# Altium PCB 测试样板PCB.PcbDoc (part 3 of 5) (continued)
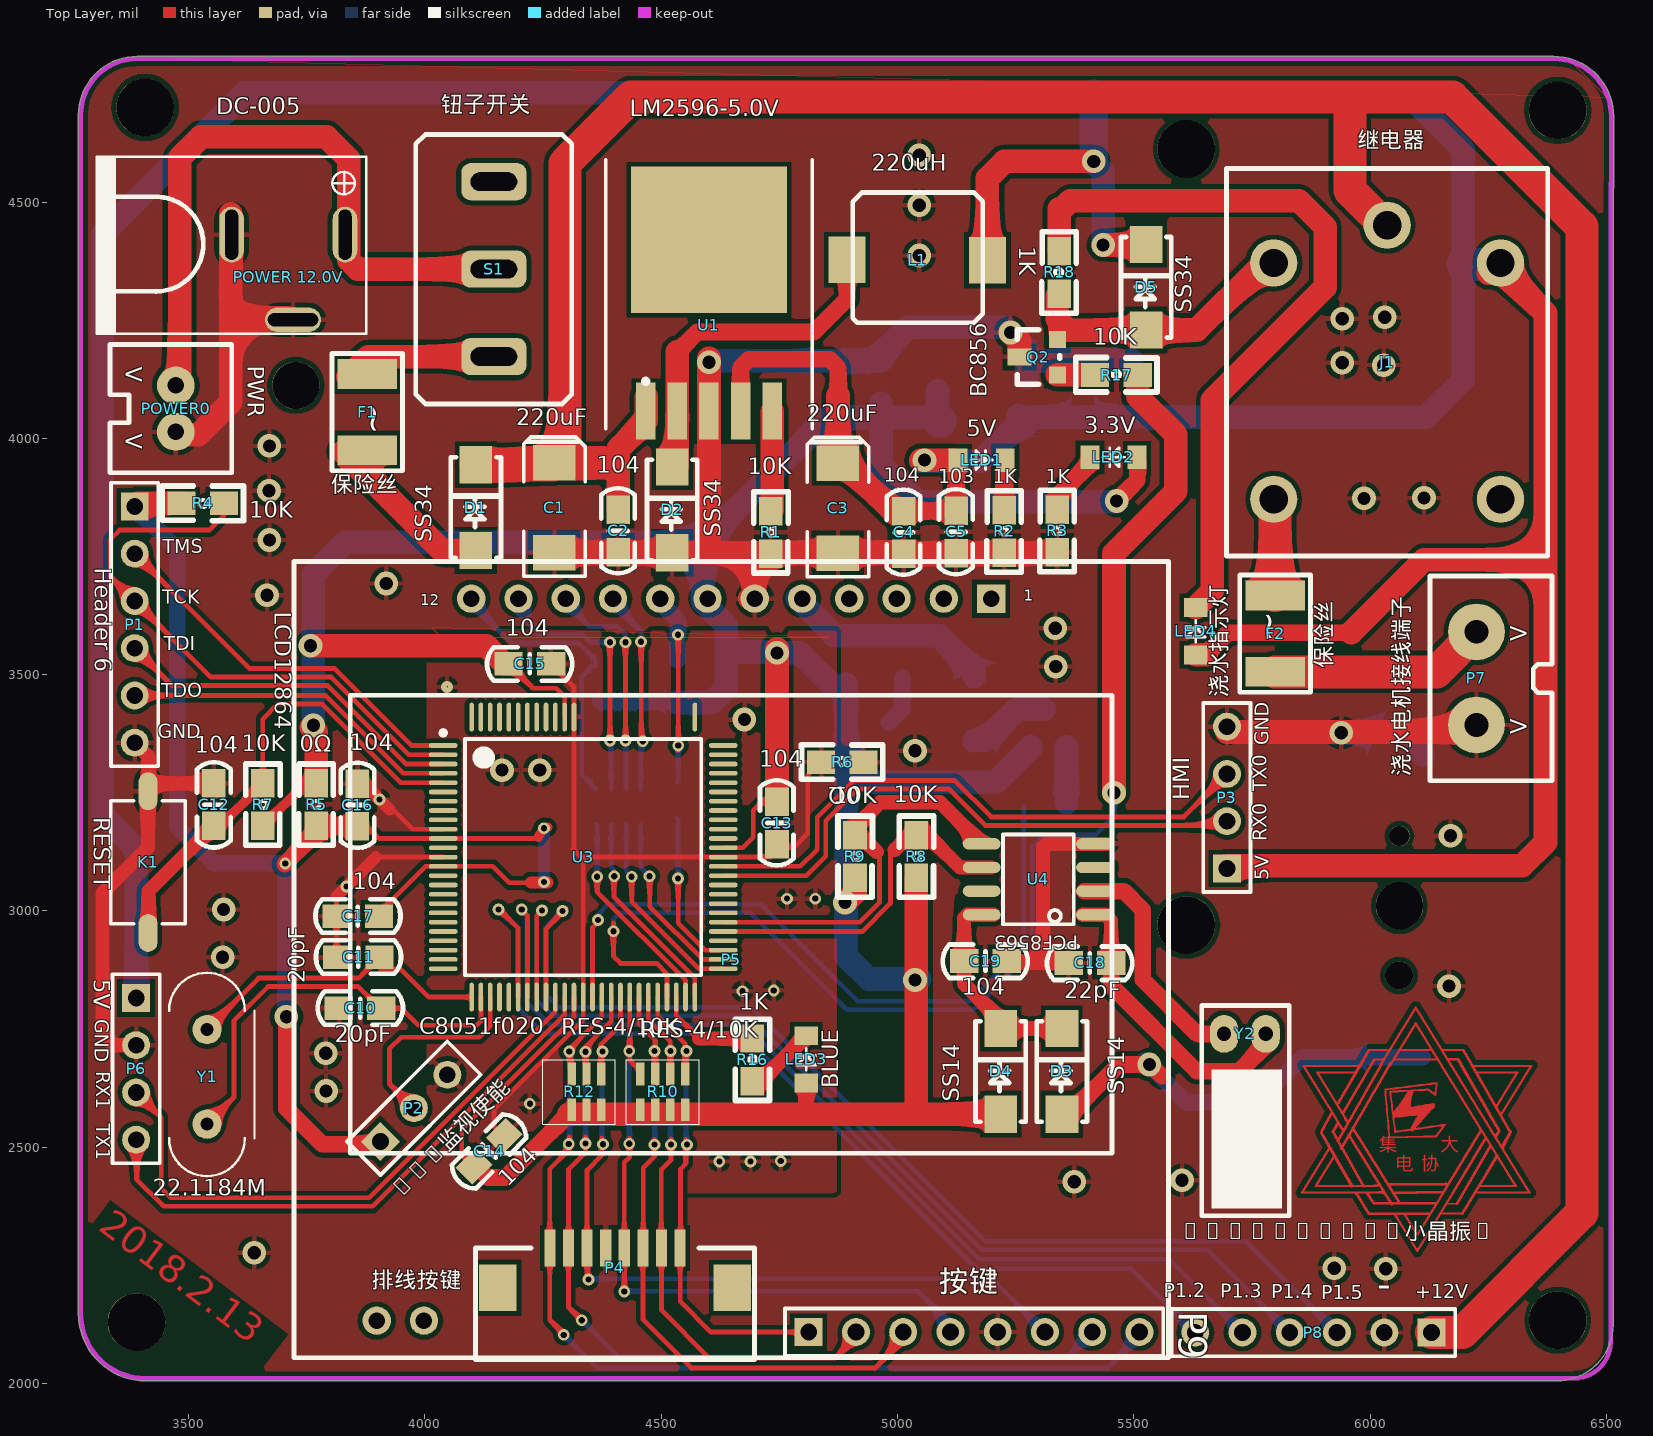
[diagram p0: Top Layer view]
## Nets (pads, with @x,y where several pads share a name; then routed paths per layer and width w, separated by ;. In a path a pad name is that pad's centre, name@x,y a point inside that pad or via, vN(x,y) a via of type N, cw(c..) or ccw(c..) an arc to the next point about the centre after c; other vN are vias at no path point) (continued)
6063.4,2738.6 ; 6060.2,2342.6 6064.2,2342.6 ; 6060.2,2343.4 6063.4,2343.4 ; 6060.2,2586.6 6085.8,2586.6 ; 6060.2,2587.4 6085.8,2587.4 ; 6060.2,2588.2 6085.8,2588.2 ; 6060.2,2620.2 6102.6,2620.2 ; 6060.2,2705.8 6065,2705.8 ; 6060.2,2706.6 6065,2706.6 ; 6060.2,2739.4 6063.4,2739.4 ; 6060.2,2740.2 6064.2,2740.2 ; 6061,2341 6065,2341 ; 6061,2341.8 6064.2,2341.8 ; 6061,2589 6085.8,2589 ; 6061,2627.4 6080.2,2627.4 ; 6061,2707.4 6065,2707.4 ; 6061,2708.2 6065.8,2708.2 ; 6061,2741 6065,2741 ; 6061,2741.8 6065,2741.8 ; 6061.8,2340.2 6065.8,2340.2 ; 6061.8,2589.8 6085.8,2589.8 ; 6061.8,2709 6065.8,2709 ; 6061.8,2742.6 6065.8,2742.6 ; 6062.6,2338.6 6066.6,2338.6 ; 6062.6,2339.4 6065.8,2339.4 ; 6062.6,2590.6 6085.8,2590.6 ; 6062.6,2591.4 6085.8,2591.4 ; 6062.6,2592.2 6085.8,2592.2 ; 6062.6,2709.8 6065.8,2709.8 ; 6062.6,2710.6 6066.6,2710.6 ; 6062.6,2743.4 6065.8,2743.4 ; 6062.6,2744.2 6066.6,2744.2 ; 6063.4,2337.8 6067.4,2337.8 ; 6063.4,2593 6085.8,2593 ; 6063.4,2711.4 6067.4,2711.4 ; 6063.4,2712.2 6067.4,2712.2 ; 6063.4,2745 6067.4,2745 ; 6064.2,2336.2 6068.2,2336.2 ; 6064.2,2337 6067.4,2337 ; 6064.2,2713 6068.2,2713 ; 6064.2,2745.8 6067.4,2745.8 ; 6064.2,2746.6 6068.2,2746.6 ; 6065,2334.6 6069,2334.6 ; 6065,2335.4 6068.2,2335.4 ; 6065,2536.2 6083.4,2536.2 ; 6065,2593.8 6085.8,2593.8 ; 6065,2594.6 6085.8,2594.6 ; 6065,2713.8 6068.2,2713.8 ; 6065,2714.6 6069,2714.6 ; 6065,2747.4 6069,2747.4 ; 6065,2748.2 6069,2748.2 ; 6065.8,2333 6069.8,2333 ; 6065.8,2333.8 6069.8,2333.8 ; 6065.8,2595.4 6085.8,2595.4 ; 6065.8,2596.2 6085.8,2596.2 ; 6065.8,2597 6085.8,2597 ; 6065.8,2705.8 6066.6,2705.8 ; 6065.8,2706.6 6125,2706.6 ; 6065.8,2707.4 6126.6,2707.4 ; 6065.8,2715.4 6069.8,2715.4 ; 6065.8,2716.2 6069.8,2716.2 ; 6065.8,2749 6069.8,2749 ; 6066.6,2332.2 6070.6,2332.2 ; 6066.6,2597.8 6085.8,2597.8 ; 6066.6,2628.2 6086.6,2628.2 ; 6066.6,2717 6070.6,2717 ; 6066.6,2749.8 6069.8,2749.8 ; 6066.6,2750.6 6070.6,2750.6 ; 6067.4,2330.6 6071.4,2330.6 ; 6067.4,2331.4 6070.6,2331.4 ; 6067.4,2598.6 6085.8,2598.6 ; 6067.4,2705.8 6121.8,2705.8 ; 6067.4,2717.8 6071.4,2717.8 ; 6067.4,2718.6 6071.4,2718.6 ; 6067.4,2751.4 6071.4,2751.4 ; 6068.2,2329.8 6072.2,2329.8 ; 6068.2,2599.4 6086.6,2599.4 ; 6068.2,2719.4 6072.2,2719.4 ; 6068.2,2752.2 6071.4,2752.2 ; 6068.2,2753 6072.2,2753 ; 6069,2328.2 6073,2328.2 ; 6069,2329 6072.2,2329 ; 6069,2600.2 6086.6,2600.2 ; 6069,2601 6086.6,2601 ; 6069,2720.2 6072.2,2720.2 ; 6069,2721 6073,2721 ; 6069,2753.8 6073,2753.8 ; 6069,2754.6 6073,2754.6 ; 6069.8,2326.6 6073.8,2326.6 ; 6069.8,2327.4 6073,2327.4 ; 6069.8,2601.8 6086.6,2601.8 ; 6069.8,2721.8 6073.8,2721.8 ; 6069.8,2755.4 6073.8,2755.4 ; 6070.6,2325.8 6074.6,2325.8 ; 6070.6,2537 6092.2,2537 ; 6070.6,2602.6 6086.6,2602.6 ; 6070.6,2603.4 6087.4,2603.4 ; 6070.6,2722.6 6073.8,2722.6 ; 6070.6,2723.4 6074.6,2723.4 ; 6070.6,2756.2 6073.8,2756.2 ; 6070.6,2757 6074.6,2757 ; 6071.4,2324.2 6075.4,2324.2 ; 6071.4,2325 6074.6,2325 ; 6071.4,2357.8 6075.4,2357.8 ; 6071.4,2604.2 6087.4,2604.2 ; 6071.4,2724.2 6075.4,2724.2 ; 6071.4,2725 6075.4,2725 ; 6071.4,2757.8 6075.4,2757.8 ; 6071.4,2758.6 6075.4,2758.6 ; 6072.2,2322.6 6076.2,2322.6 ; 6072.2,2323.4 6076.2,2323.4 ; 6072.2,2356.2 6076.2,2356.2 ; 6072.2,2357 6076.2,2357 ; 6072.2,2605 6087.4,2605 ; 6072.2,2605.8 6087.4,2605.8 ; 6072.2,2725.8 6076.2,2725.8 ; 6072.2,2759.4 6076.2,2759.4 ; 6073,2321.8 6077,2321.8 ; 6073,2355.4 6077,2355.4 ; 6073,2606.6 6088.2,2606.6 ; 6073,2621 6117,2621 ; 6073,2629 6093,2629 ; 6073,2726.6 6076.2,2726.6 ; 6073,2727.4 6077,2727.4 ; 6073,2760.2 6076.2,2760.2 ; 6073,2761 6077,2761 ; 6073.8,2320.2 6077.8,2320.2 ; 6073.8,2321 6077,2321 ; 6073.8,2353.8 6077.8,2353.8 ; 6073.8,2354.6 6077,2354.6 ; 6073.8,2607.4 6088.2,2607.4 ; 6073.8,2608.2 6088.2,2608.2 ; 6073.8,2728.2 6077.8,2728.2 ; 6073.8,2729 6077.8,2729 ; 6073.8,2761.8 6077.8,2761.8 ; 6073.8,2762.6 6077.8,2762.6 ; 6074.6,2319.4 6078.6,2319.4 ; 6074.6,2353 6077.8,2353 ; 6074.6,2609 6088.2,2609 ; 6074.6,2609.8 6089,2609.8 ; 6074.6,2729.8 6078.6,2729.8 ; 6074.6,2763.4 6078.6,2763.4 ; 6075.4,2317.8 6079.4,2317.8 ; 6075.4,2318.6 6078.6,2318.6 ; 6075.4,2351.4 6079.4,2351.4 ; 6075.4,2352.2 6078.6,2352.2 ; 6075.4,2610.6 6089,2610.6 ; 6075.4,2730.6 6078.6,2730.6 ; 6075.4,2731.4 6079.4,2731.4 ; 6075.4,2764.2 6079.4,2764.2 ; 6075.4,2765 6079.4,2765 ; 6076.2,2316.2 6080.2,2316.2 ; 6076.2,2317 6080.2,2317 ; 6076.2,2349.8 6080.2,2349.8 ; 6076.2,2350.6 6079.4,2350.6 ; 6076.2,2537.8 6094.6,2537.8 ; 6076.2,2611.4 6089,2611.4 ; 6076.2,2612.2 6089,2612.2 ; 6076.2,2732.2 6080.2,2732.2 ; 6076.2,2733 6080.2,2733 ; 6076.2,2765.8 6080.2,2765.8 ; 6076.2,2766.6 6080.2,2766.6 ; 6077,2315.4 6081,2315.4 ; 6077,2349 6081,2349 ; 6077,2613 6089,2613 ; 6077,2733.8 6081,2733.8 ; 6077,2767.4 6081,2767.4 ; 6077.8,2313.8 6081.8,2313.8 ; 6077.8,2314.6 6081,2314.6 ; 6077.8,2347.4 6081.8,2347.4 ; 6077.8,2348.2 6081,2348.2 ; 6077.8,2523.4 6141,2523.4 ; 6077.8,2613.8 6089.8,2613.8 ; 6077.8,2614.6 6089.8,2614.6 ; 6077.8,2734.6 6081.8,2734.6 ; 6077.8,2735.4 6081.8,2735.4 ; 6077.8,2768.2 6081.8,2768.2 ; 6077.8,2769 6081.8,2769 ; 6078.6,2312.2 6082.6,2312.2 ; 6078.6,2313 6082.6,2313 ; 6078.6,2346.6 6081.8,2346.6 ; 6078.6,2615.4 6089.8,2615.4 ; 6078.6,2616.2 6089.8,2616.2 ; 6078.6,2736.2 6082.6,2736.2 ; 6078.6,2769.8 6082.6,2769.8 ; 6079.4,2311.4 6083.4,2311.4 ; 6079.4,2345 6083.4,2345 ; 6079.4,2345.8 6082.6,2345.8 ; 6079.4,2617 6091.4,2617 ; 6079.4,2617.8 6091.4,2617.8 ; 6079.4,2618.6 6091.4,2618.6 ; 6079.4,2629.8 6099.4,2629.8 ; 6079.4,2737 6082.6,2737 ; 6079.4,2737.8 6083.4,2737.8 ; 6079.4,2770.6 6082.6,2770.6 ; 6079.4,2771.4 6083.4,2771.4 ; 6080.2,2309.8 6084.2,2309.8 ; 6080.2,2310.6 6083.4,2310.6 ; 6080.2,2343.4 6084.2,2343.4 ; 6080.2,2344.2 6083.4,2344.2 ; 6080.2,2738.6 6084.2,2738.6 ; 6080.2,2739.4 6084.2,2739.4 ; 6080.2,2772.2 6083.4,2772.2 ; 6081,2309 6085,2309 ; 6081,2341.8 6085,2341.8 ; 6081,2342.6 6085,2342.6 ; 6081,2740.2 6085,2740.2 ; 6081,2773 6084.2,2773 ; 6081,2773.8 6085,2773.8 ; 6081.8,2307.4 6085.8,2307.4 ; 6081.8,2308.2 6085,2308.2 ; 6081.8,2341 6085.8,2341 ; 6081.8,2741 6085.8,2741 ; 6081.8,2741.8 6085.8,2741.8 ; 6081.8,2774.6 6085,2774.6 ; 6081.8,2775.4 6085.8,2775.4 ; 6082.6,2305.8 6086.6,2305.8 ; 6082.6,2306.6 6085.8,2306.6 ; 6082.6,2339.4 6086.6,2339.4 ; 6082.6,2340.2 6085.8,2340.2 ; 6082.6,2538.6 6100.2,2538.6 ; 6082.6,2742.6 6086.6,2742.6 ; 6082.6,2743.4 6086.6,2743.4 ; 6082.6,2776.2 6086.6,2776.2 ; 6083.4,2305 6087.4,2305 ; 6083.4,2338.6 6087.4,2338.6 ; 6083.4,2744.2 6087.4,2744.2 ; 6083.4,2777 6086.6,2777 ; 6083.4,2777.8 6087.4,2777.8 ; 6084.2,2303.4 6088.2,2303.4 ; 6084.2,2304.2 6087.4,2304.2 ; 6084.2,2337 6088.2,2337 ; 6084.2,2337.8 6087.4,2337.8 ; 6084.2,2745 6087.4,2745 ; 6084.2,2745.8 6088.2,2745.8 ; 6084.2,2778.6 6088.2,2778.6 ; 6084.2,2779.4 6088.2,2779.4 ; 6085,2301.8 6089,2301.8 ; 6085,2302.6 6089,2302.6 ; 6085,2335.4 6089,2335.4 ; 6085,2336.2 6088.2,2336.2 ; 6085,2539.4 6106.6,2539.4 ; 6085,2746.6 6089,2746.6 ; 6085,2747.4 6089,2747.4 ; 6085,2780.2 6089,2780.2 ; 6085.8,2301 6089.8,2301 ; 6085.8,2334.6 6089.8,2334.6 ; 6085.8,2541 6095.4,2541 ; 6085.8,2585 6136.2,2585 ; 6085.8,2630.6 6105.8,2630.6 ; 6085.8,2748.2 6089.8,2748.2 ; 6085.8,2781 6089,2781 ; 6085.8,2781.8 6089.8,2781.8 ; 6086.6,2299.4 6090.6,2299.4 ; 6086.6,2300.2 6089.8,2300.2 ; 6086.6,2333 6090.6,2333 ; 6086.6,2333.8 6089.8,2333.8 ; 6086.6,2540.2 6112.2,2540.2 ; 6086.6,2541.8 6096.2,2541.8 ; 6086.6,2749 6090.6,2749 ; 6086.6,2749.8 6090.6,2749.8 ; 6086.6,2782.6 6090.6,2782.6 ; 6086.6,2783.4 6090.6,2783.4 ; 6087.4,2298.6 6090.6,2298.6 ; 6087.4,2331.4 6091.4,2331.4 ; 6087.4,2332.2 6091.4,2332.2 ; 6087.4,2536.2 6092.2,2536.2 ; 6087.4,2543.4 6097,2543.4 ; 6087.4,2750.6 6091.4,2750.6 ; 6087.4,2784.2 6091.4,2784.2 ; 6088.2,2297 6092.2,2297 ; 6088.2,2297.8 6091.4,2297.8 ; 6088.2,2330.6 6092.2,2330.6 ; 6088.2,2535.4 6091.4,2535.4 ; 6088.2,2542.6 6097,2542.6 ; 6088.2,2544.2 6097.8,2544.2 ; 6088.2,2545 6098.6,2545 ; 6088.2,2621.8 6125.8,2621.8 ; 6088.2,2751.4 6091.4,2751.4 ; 6088.2,2752.2 6092.2,2752.2 ; 6088.2,2785 6091.4,2785 ; 6088.2,2785.8 6092.2,2785.8 ; 6089,2295.4 6093,2295.4 ; 6089,2296.2 6092.2,2296.2 ; 6089,2329 6093,2329 ; 6089,2329.8 6092.2,2329.8 ; 6089,2545.8 6099.4,2545.8 ; 6089,2546.6 6100.2,2546.6 ; 6089,2753 6093,2753 ; 6089,2753.8 6093,2753.8 ; 6089,2786.6 6093,2786.6 ; 6089.8,2294.6 6093.8,2294.6 ; 6089.8,2328.2 6093.8,2328.2 ; 6089.8,2547.4 6101,2547.4 ; 6089.8,2754.6 6093.8,2754.6 ; 6089.8,2787.4 6093,2787.4 ; 6089.8,2788.2 6093.8,2788.2 ; 6090.6,2293 6094.6,2293 ; 6090.6,2293.8 6093.8,2293.8 ; 6090.6,2326.6 6094.6,2326.6 ; 6090.6,2327.4 6093.8,2327.4 ; 6090.6,2548.2 6101.8,2548.2 ; 6090.6,2549 6102.6,2549 ; 6090.6,2585.8 6137,2585.8 ; 6090.6,2755.4 6093.8,2755.4 ; 6090.6,2756.2 6094.6,2756.2 ; 6090.6,2789 6094.6,2789 ; 6090.6,2789.8 6094.6,2789.8 ; 6091.4,2291.4 6095.4,2291.4 ; 6091.4,2292.2 6094.6,2292.2 ; 6091.4,2325 6095.4,2325 ; 6091.4,2325.8 6094.6,2325.8 ; 6091.4,2549.8 6102.6,2549.8 ; 6091.4,2550.6 6103.4,2550.6 ; 6091.4,2757 6095.4,2757 ; 6091.4,2790.6 6095.4,2790.6 ; 6092.2,2290.6 6096.2,2290.6 ; 6092.2,2324.2 6096.2,2324.2 ; 6092.2,2551.4 6104.2,2551.4 ; 6092.2,2552.2 6105,2552.2 ; 6092.2,2631.4 6112.2,2631.4 ; 6092.2,2757.8 6095.4,2757.8 ; 6092.2,2758.6 6096.2,2758.6 ; 6092.2,2791.4 6095.4,2791.4 ; 6092.2,2792.2 6096.2,2792.2 ; 6093,2289 6097,2289 ; 6093,2289.8 6096.2,2289.8 ; 6093,2322.6 6097,2322.6 ; 6093,2323.4 6096.2,2323.4 ; 6093,2553 6105.8,2553 ; 6093,2553.8 6106.6,2553.8 ; 6093,2759.4 6100.2,2759.4 ; 6093,2760.2 6100.2,2760.2 ; 6093,2793 6100.2,2793 ; 6093.8,2288.2 6097.8,2288.2 ; 6093.8,2321.8 6097.8,2321.8 ; 6093.8,2554.6 6107.4,2554.6 ; 6093.8,2761 6099.4,2761 ; 6093.8,2793.8 6099.4,2793.8 ; 6093.8,2794.6 6099.4,2794.6 ; 6094.6,2286.6 6098.6,2286.6 ; 6094.6,2287.4 6097.8,2287.4 ; 6094.6,2320.2 6098.6,2320.2 ; 6094.6,2321 6097.8,2321 ; 6094.6,2555.4 6108.2,2555.4 ; 6094.6,2556.2 6109,2556.2 ; 6094.6,2761.8 6098.6,2761.8 ; 6094.6,2762.6 6098.6,2762.6 ; 6094.6,2795.4 6098.6,2795.4 ; 6094.6,2796.2 6097.8,2796.2 ; 6095.4,2285 6099.4,2285 ; 6095.4,2285.8 6099.4,2285.8 ; 6095.4,2318.6 6099.4,2318.6 ; 6095.4,2319.4 6098.6,2319.4 ; 6095.4,2557 6109,2557 ; 6095.4,2557.8 6109.8,2557.8 ; 6095.4,2586.6 6137,2586.6 ; 6095.4,2763.4 6097.8,2763.4 ; 6095.4,2764.2 6097,2764.2 ; 6095.4,2797 6097.8,2797 ; 6096.2,2284.2 6103.4,2284.2 ; 6096.2,2317.8 6103.4,2317.8 ; 6096.2,2558.6 6110.6,2558.6 ; 6096.2,2559.4 6111.4,2559.4 ; 6096.2,2765 6097,2765 ; 6096.2,2797.8 6097,2797.8 ; 6096.2,2798.6 6097,2798.6 ; 6097,2282.6 6102.6,2282.6 ; 6097,2283.4 6102.6,2283.4 ; 6097,2316.2 6102.6,2316.2 ; 6097,2317 6103.4,2317 ; 6097,2560.2 6112.2,2560.2 ; 6097,2561 6113,2561 ; 6097,2757.8 6101,2757.8 ; 6097,2758.6 6101,2758.6 ; 6097,2792.2 6101,2792.2 ; 6097.8,2281 6101.8,2281 ; 6097.8,2281.8 6101.8,2281.8 ; 6097.8,2314.6 6101.8,2314.6 ; 6097.8,2315.4 6101.8,2315.4 ; 6097.8,2561.8 6113.8,2561.8 ; 6097.8,2757 6101.8,2757 ; 6097.8,2790.6 6101.8,2790.6 ; 6097.8,2791.4 6101,2791.4 ; 6098.6,2280.2 6101,2280.2 ; 6098.6,2406.6 6151.4,2406.6 ; 6098.6,2562.6 6114.6,2562.6 ; 6098.6,2563.4 6114.6,2563.4 ; 6098.6,2632.2 6117.8,2632.2 ; 6098.6,2755.4 6102.6,2755.4 ; 6098.6,2756.2 6101.8,2756.2 ; 6098.6,2789 6102.6,2789 ; 6098.6,2789.8 6101.8,2789.8 ; 6099.4,2278.6 6100.2,2278.6 ; 6099.4,2279.4 6100.2,2279.4 ; 6099.4,2564.2 6115.4,2564.2 ; 6099.4,2565 6116.2,2565 ; 6099.4,2587.4 6137,2587.4 ; 6099.4,2754.6 6103.4,2754.6 ; 6099.4,2787.4 6103.4,2787.4 ; 6099.4,2788.2 6103.4,2788.2 ; 6100.2,2285 6104.2,2285 ; 6100.2,2318.6 6104.2,2318.6 ; 6100.2,2541 6117.8,2541 ; 6100.2,2565.8 6117,2565.8 ; 6100.2,2566.6 6117.8,2566.6 ; 6100.2,2753 6104.2,2753 ; 6100.2,2753.8 6103.4,2753.8 ; 6100.2,2786.6 6104.2,2786.6 ; 6101,2285.8 6104.2,2285.8 ; 6101,2286.6 6105,2286.6 ; 6101,2319.4 6104.2,2319.4 ; 6101,2320.2 6105,2320.2 ; 6101,2567.4 6118.6,2567.4 ; 6101,2568.2 6119.4,2568.2 ; 6101,2751.4 6105,2751.4 ; 6101,2752.2 6105,2752.2 ; 6101,2785 6105,2785 ; 6101,2785.8 6105,2785.8 ; 6101.8,2287.4 6105.8,2287.4 ; 6101.8,2321 6105.8,2321 ; 6101.8,2750.6 6105.8,2750.6 ; 6101.8,2784.2 6105.8,2784.2 ; 6102.6,2288.2 6105.8,2288.2 ; 6102.6,2289 6106.6,2289 ; 6102.6,2321.8 6105.8,2321.8 ; 6102.6,2322.6 6106.6,2322.6 ; 6102.6,2622.6 6125,2622.6 ; 6102.6,2749 6106.6,2749 ; 6102.6,2749.8 6106.6,2749.8 ; 6102.6,2782.6 6106.6,2782.6 ; 6102.6,2783.4 6105.8,2783.4 ; 6103.4,2289.8 6106.6,2289.8 ; 6103.4,2290.6 6107.4,2290.6 ; 6103.4,2323.4 6107.4,2323.4 ; 6103.4,2747.4 6107.4,2747.4 ; 6103.4,2748.2 6107.4,2748.2 ; 6103.4,2781.8 6107.4,2781.8 ; 6104.2,2291.4 6108.2,2291.4 ; 6104.2,2324.2 6107.4,2324.2 ; 6104.2,2325 6108.2,2325 ; 6104.2,2588.2 6137,2588.2 ; 6104.2,2746.6 6108.2,2746.6 ; 6104.2,2780.2 6108.2,2780.2 ; 6104.2,2781 6107.4,2781 ; 6105,2292.2 6108.2,2292.2 ; 6105,2293 6109,2293 ; 6105,2325.8 6108.2,2325.8 ; 6105,2326.6 6109,2326.6 ; 6105,2541.8 6123.4,2541.8 ; 6105,2633 6124.2,2633 ; 6105,2745 6109,2745 ; 6105,2745.8 6109,2745.8 ; 6105,2778.6 6109,2778.6 ; 6105,2779.4 6108.2,2779.4 ; 6105.8,2293.8 6109.8,2293.8 ; 6105.8,2294.6 6109.8,2294.6 ; 6105.8,2327.4 6109.8,2327.4 ; 6105.8,2744.2 6109.8,2744.2 ; 6105.8,2777.8 6109.8,2777.8 ; 6106.6,2295.4 6110.6,2295.4 ; 6106.6,2328.2 6109.8,2328.2 ; 6106.6,2329 6110.6,2329 ; 6106.6,2742.6 6110.6,2742.6 ; 6106.6,2743.4 6109.8,2743.4 ; 6106.6,2776.2 6110.6,2776.2 ; 6106.6,2777 6109.8,2777 ; 6107.4,2296.2 6110.6,2296.2 ; 6107.4,2297 6111.4,2297 ; 6107.4,2329.8 6110.6,2329.8 ; 6107.4,2741 6111.4,2741 ; 6107.4,2741.8 6111.4,2741.8 ; 6107.4,2774.6 6111.4,2774.6 ; 6107.4,2775.4 6111.4,2775.4 ; 6108.2,2297.8 6112.2,2297.8 ; 6108.2,2330.6 6111.4,2330.6 ; 6108.2,2331.4 6112.2,2331.4 ; 6108.2,2740.2 6112.2,2740.2 ; 6108.2,2773.8 6112.2,2773.8 ; 6109,2298.6 6112.2,2298.6 ; 6109,2299.4 6113,2299.4 ; 6109,2332.2 6112.2,2332.2 ; 6109,2333 6113,2333 ; 6109,2589 6137,2589 ; 6109,2738.6 6113,2738.6 ; 6109,2739.4 6112.2,2739.4 ; 6109,2772.2 6113,2772.2 ; 6109,2773 6112.2,2773 ; 6109.8,2300.2 6113,2300.2 ; 6109.8,2301 6113.8,2301 ; 6109.8,2333.8 6113.8,2333.8 ; 6109.8,2334.6 6113.8,2334.6 ; 6109.8,2737 6113.8,2737 ; 6109.8,2737.8 6113.8,2737.8 ; 6109.8,2770.6 6113.8,2770.6 ; 6109.8,2771.4 6113.8,2771.4 ; 6110.6,2301.8 6114.6,2301.8 ; 6110.6,2335.4 6114.6,2335.4 ; 6110.6,2633.8 6130.6,2633.8 ; 6110.6,2736.2 6114.6,2736.2 ; 6110.6,2769.8 6114.6,2769.8 ; 6111.4,2302.6 6114.6,2302.6 ; 6111.4,2303.4 6115.4,2303.4 ; 6111.4,2336.2 6114.6,2336.2 ; 6111.4,2337 6115.4,2337 ; 6111.4,2542.6 6129.8,2542.6 ; 6111.4,2734.6 6115.4,2734.6 ; 6111.4,2735.4 6115.4,2735.4 ; 6111.4,2768.2 6115.4,2768.2 ; 6111.4,2769 6114.6,2769 ; 6112.2,2304.2 6116.2,2304.2 ; 6112.2,2305 6116.2,2305 ; 6112.2,2337.8 6116.2,2337.8 ; 6112.2,2733.8 6116.2,2733.8 ; 6112.2,2766.6 6116.2,2766.6 ; 6112.2,2767.4 6116.2,2767.4 ; 6113,2305.8 6117,2305.8 ; 6113,2338.6 6116.2,2338.6 ; 6113,2339.4 6117,2339.4 ; 6113,2524.2 6141.8,2524.2 ; 6113,2732.2 6117,2732.2 ; 6113,2733 6116.2,2733 ; 6113,2765.8 6117,2765.8 ; 6113.8,2306.6 6117,2306.6 ; 6113.8,2307.4 6117.8,2307.4 ; 6113.8,2340.2 6117,2340.2 ; 6113.8,2341 6117.8,2341 ; 6113.8,2589.8 6137,2589.8 ; 6113.8,2730.6 6117.8,2730.6 ; 6113.8,2731.4 6117.8,2731.4 ; 6113.8,2764.2 6117.8,2764.2 ; 6113.8,2765 6117,2765 ; 6114.6,2308.2 6118.6,2308.2 ; 6114.6,2341.8 6118.6,2341.8 ; 6114.6,2729.8 6118.6,2729.8 ; 6114.6,2763.4 6118.6,2763.4 ; 6115.4,2309 6118.6,2309 ; 6115.4,2309.8 6119.4,2309.8 ; 6115.4,2342.6 6118.6,2342.6 ; 6115.4,2343.4 6119.4,2343.4 ; 6115.4,2728.2 6119.4,2728.2 ; 6115.4,2729 6118.6,2729 ; 6115.4,2761.8 6119.4,2761.8 ; 6115.4,2762.6 6118.6,2762.6 ; 6116.2,2310.6 6119.4,2310.6 ; 6116.2,2311.4 6120.2,2311.4 ; 6116.2,2344.2 6120.2,2344.2 ; 6116.2,2727.4 6120.2,2727.4 ; 6116.2,2760.2 6120.2,2760.2 ; 6116.2,2761 6120.2,2761 ; 6117,2312.2 6121,2312.2 ; 6117,2345 6120.2,2345 ; 6117,2345.8 6121,2345.8 ; 6117,2543.4 6134.6,2543.4 ; 6117,2623.4 6123.4,2623.4 ; 6117,2725.8 6121,2725.8 ; 6117,2726.6 6120.2,2726.6 ; 6117,2759.4 6121,2759.4 ; 6117.8,2313 6121,2313 ; 6117.8,2313.8 6121.8,2313.8 ; 6117.8,2346.6 6121,2346.6 ; 6117.8,2347.4 6121.8,2347.4 ; 6117.8,2590.6 6136.2,2590.6 ; 6117.8,2634.6 6137,2634.6 ; 6117.8,2724.2 6121.8,2724.2 ; 6117.8,2725 6121.8,2725 ; 6117.8,2757.8 6121.8,2757.8 ; 6117.8,2758.6 6121,2758.6 ; 6118.6,2314.6 6121.8,2314.6 ; 6118.6,2348.2 6122.6,2348.2 ; 6118.6,2723.4 6122.6,2723.4 ; 6118.6,2757 6122.6,2757 ; 6119.4,2315.4 6122.6,2315.4 ; 6119.4,2316.2 6123.4,2316.2 ; 6119.4,2349 6122.6,2349 ; 6119.4,2349.8 6123.4,2349.8 ; 6119.4,2721.8 6123.4,2721.8 ; 6119.4,2722.6 6122.6,2722.6 ; 6119.4,2755.4 6123.4,2755.4 ; 6119.4,2756.2 6122.6,2756.2 ; 6120.2,2317 6123.4,2317 ; 6120.2,2317.8 6124.2,2317.8 ; 6120.2,2350.6 6124.2,2350.6 ; 6120.2,2351.4 6124.2,2351.4 ; 6120.2,2720.2 6124.2,2720.2 ; 6120.2,2721 6124.2,2721 ; 6120.2,2753.8 6124.2,2753.8 ; 6120.2,2754.6 6124.2,2754.6 ; 6121,2318.6 6125,2318.6 ; 6121,2352.2 6125,2352.2 ; 6121,2719.4 6125,2719.4 ; 6121,2753 6125,2753 ; 6121.8,2319.4 6125,2319.4 ; 6121.8,2320.2 6125.8,2320.2 ; 6121.8,2353 6125,2353 ; 6121.8,2353.8 6125.8,2353.8 ; 6121.8,2717.8 6125.8,2717.8 ; 6121.8,2718.6 6125,2718.6 ; 6121.8,2751.4 6125.8,2751.4 ; 6121.8,2752.2 6125,2752.2 ; 6122.6,2321 6125.8,2321 ; 6122.6,2321.8 6126.6,2321.8 ; 6122.6,2354.6 6126.6,2354.6 ; 6122.6,2355.4 6126.6,2355.4 ; 6122.6,2544.2 6141,2544.2 ; 6122.6,2591.4 6136.2,2591.4 ; 6122.6,2621 6126.6,2621 ; 6122.6,2705.8 6127.4,2705.8 ; 6122.6,2716.2 6126.6,2716.2 ; 6122.6,2717 6126.6,2717 ; 6122.6,2749.8 6126.6,2749.8 ; 6122.6,2750.6 6126.6,2750.6 ; 6123.4,2322.6 6127.4,2322.6 ; 6123.4,2356.2 6127.4,2356.2 ; 6123.4,2620.2 6128.2,2620.2 ; 6123.4,2715.4 6127.4,2715.4 ; 6123.4,2749 6127.4,2749 ; 6124.2,2323.4 6127.4,2323.4 ; 6124.2,2324.2 6128.2,2324.2 ; 6124.2,2357 6127.4,2357 ; 6124.2,2357.8 6128.2,2357.8 ; 6124.2,2635.4 6141.8,2635.4 ; 6124.2,2713.8 6128.2,2713.8 ; 6124.2,2714.6 6128.2,2714.6 ; 6124.2,2747.4 6128.2,2747.4 ; 6124.2,2748.2 6127.4,2748.2 ; 6125,2325 6129,2325 ; 6125,2325.8 6129,2325.8 ; 6125,2358.6 6128.2,2358.6 ; 6125,2359.4 6129,2359.4 ; 6125,2361 6129.8,2361 ; 6125,2619.4 6129,2619.4 ; 6125,2712.2 6129,2712.2 ; 6125,2713 6129,2713 ; 6125,2745.8 6129,2745.8 ; 6125,2746.6 6129,2746.6 ; 6125.8,2326.6 6129.8,2326.6 ; 6125.8,2618.6 6130.6,2618.6 ; 6125.8,2706.6 6133,2706.6 ; 6125.8,2711.4 6129.8,2711.4 ; 6125.8,2745 6129.8,2745 ; 6126.6,2327.4 6129.8,2327.4 ; 6126.6,2328.2 6130.6,2328.2 ; 6126.6,2361.8 6130.6,2361.8 ; 6126.6,2709.8 6130.6,2709.8 ; 6126.6,2710.6 6130.6,2710.6 ; 6126.6,2743.4 6130.6,2743.4 ; 6126.6,2744.2 6130.6,2744.2 ; 6127.4,2329 6130.6,2329 ; 6127.4,2329.8 6131.4,2329.8 ; 6127.4,2362.6 6131.4,2362.6 ; 6127.4,2592.2 6136.2,2592.2 ; 6127.4,2617.8 6131.4,2617.8 ; 6127.4,2707.4 6132.2,2707.4 ; 6127.4,2708.2 6131.4,2708.2 ; 6127.4,2709 6131.4,2709 ; 6127.4,2741.8 6131.4,2741.8 ; 6127.4,2742.6 6131.4,2742.6 ; 6128.2,2330.6 6132.2,2330.6 ; 6128.2,2363.4 6131.4,2363.4 ; 6128.2,2364.2 6132.2,2364.2 ; 6128.2,2545 6146.6,2545 ; 6128.2,2617 6132.2,2617 ; 6128.2,2741 6132.2,2741 ; 6129,2331.4 6132.2,2331.4 ; 6129,2332.2 6133,2332.2 ; 6129,2365 6132.2,2365 ; 6129,2365.8 6133,2365.8 ; 6129,2616.2 6133.8,2616.2 ; 6129,2705.8 6133,2705.8 ; 6129,2739.4 6133,2739.4 ; 6129,2740.2 6133,2740.2 ; 6129.8,2333 6133.8,2333 ; 6129.8,2366.6 6133.8,2366.6 ; 6129.8,2636.2 6142.6,2636.2 ; 6129.8,2705 6133.8,2705 ; 6129.8,2738.6 6133.8,2738.6 ; 6130.6,2333.8 6133.8,2333.8 ; 6130.6,2334.6 6134.6,2334.6 ; 6130.6,2367.4 6133.8,2367.4 ; 6130.6,2368.2 6134.6,2368.2 ; 6130.6,2615.4 6134.6,2615.4 ; 6130.6,2703.4 6134.6,2703.4 ; 6130.6,2704.2 6134.6,2704.2 ; 6130.6,2737 6134.6,2737 ; 6130.6,2737.8 6133.8,2737.8 ; 6131.4,2335.4 6135.4,2335.4 ; 6131.4,2336.2 6135.4,2336.2 ; 6131.4,2369 6134.6,2369 ; 6131.4,2614.6 6135.4,2614.6 ; 6131.4,2702.6 6135.4,2702.6 ; 6131.4,2735.4 6135.4,2735.4 ; 6131.4,2736.2 6135.4,2736.2 ; 6132.2,2337 6136.2,2337 ; 6132.2,2369.8 6135.4,2369.8 ; 6132.2,2370.6 6136.2,2370.6 ; 6132.2,2593 6135.4,2593 ; 6132.2,2613.8 6139.4,2613.8 ; 6132.2,2701 6136.2,2701 ; 6132.2,2701.8 6135.4,2701.8 ; 6132.2,2734.6 6136.2,2734.6 ; 6133,2337.8 6136.2,2337.8 ; 6133,2338.6 6137,2338.6 ; 6133,2371.4 6136.2,2371.4 ; 6133,2372.2 6137,2372.2 ; 6133,2699.4 6137,2699.4 ; 6133,2700.2 6137,2700.2 ; 6133,2733 6137,2733 ; 6133,2733.8 6136.2,2733.8 ; 6133.8,2339.4 6137.8,2339.4 ; 6133.8,2373 6137.8,2373 ; 6133.8,2613 6139.4,2613 ; 6133.8,2698.6 6137.8,2698.6 ; 6133.8,2732.2 6137.8,2732.2 ; 6134.6,2340.2 6137.8,2340.2 ; 6134.6,2341 6138.6,2341 ; 6134.6,2373.8 6137.8,2373.8 ; 6134.6,2374.6 6138.6,2374.6 ; 6134.6,2545.8 6152.2,2545.8 ; 6134.6,2612.2 6138.6,2612.2 ; 6134.6,2697 6138.6,2697 ; 6134.6,2697.8 6137.8,2697.8 ; 6134.6,2730.6 6138.6,2730.6 ; 6134.6,2731.4 6137.8,2731.4 ; 6135.4,2341.8 6138.6,2341.8 ; 6135.4,2342.6 6139.4,2342.6 ; 6135.4,2375.4 6138.6,2375.4 ; 6135.4,2376.2 6139.4,2376.2 ; 6135.4,2611.4 6138.6,2611.4 ; 6135.4,2696.2 6139.4,2696.2 ; 6135.4,2729 6139.4,2729 ; 6135.4,2729.8 6139.4,2729.8 ; 6136.2,2343.4 6140.2,2343.4 ; 6136.2,2377 6140.2,2377 ; 6136.2,2637 6142.6,2637 ; 6136.2,2685.8 6137.8,2685.8 ; 6136.2,2694.6 6140.2,2694.6 ; 6136.2,2695.4 6139.4,2695.4 ; 6136.2,2728.2 6140.2,2728.2 ; 6137,2344.2 6140.2,2344.2 ; 6137,2345 6141,2345 ; 6137,2377.8 6140.2,2377.8 ; 6137,2378.6 6141,2378.6 ; 6137,2379.4 6141.8,2379.4 ; 6137,2610.6 6138.6,2610.6 ; 6137,2614.6 6139.4,2614.6 ; 6137,2615.4 6139.4,2615.4 ; 6137,2616.2 6139.4,2616.2 ; 6137,2617 6139.4,2617 ; 6137,2617.8 6139.4,2617.8 ; 6137,2618.6 6140.2,2618.6 ; 6137,2693 6141,2693 ; 6137,2693.8 6140.2,2693.8 ; 6137,2726.6 6141,2726.6 ; 6137,2727.4 6140.2,2727.4 ; 6137.8,2345.8 6141,2345.8 ; 6137.8,2346.6 6141.8,2346.6 ; 6137.8,2609.8 6138.6,2609.8 ; 6137.8,2619.4 6140.2,2619.4 ; 6137.8,2620.2 6140.2,2620.2 ; 6137.8,2621 6140.2,2621 ; 6137.8,2621.8 6140.2,2621.8 ; 6137.8,2622.6 6140.2,2622.6 ; 6137.8,2623.4 6140.2,2623.4 ; 6137.8,2624.2 6140.2,2624.2 ; 6137.8,2625 6141,2625 ; 6137.8,2692.2 6141.8,2692.2 ; 6137.8,2725 6141.8,2725 ; 6137.8,2725.8 6141.8,2725.8 ; 6138.6,2347.4 6142.6,2347.4 ; 6138.6,2525 6141.8,2525 ; 6138.6,2625.8 6141,2625.8 ; 6138.6,2626.6 6141,2626.6 ; 6138.6,2627.4 6141,2627.4 ; 6138.6,2628.2 6141,2628.2 ; 6138.6,2629 6141,2629 ; 6138.6,2629.8 6141,2629.8 ; 6138.6,2630.6 6141.8,2630.6 ; 6138.6,2685.8 6145.8,2685.8 ; 6138.6,2690.6 6142.6,2690.6 ; 6138.6,2691.4 6141.8,2691.4 ; 6138.6,2724.2 6142.6,2724.2 ; 6139.4,2348.2 6142.6,2348.2 ; 6139.4,2349 6143.4,2349 ; 6139.4,2525.8 6142.6,2525.8 ; 6139.4,2631.4 6141.8,2631.4 ; 6139.4,2632.2 6141.8,2632.2 ; 6139.4,2633 6141.8,2633 ; 6139.4,2633.8 6141.8,2633.8 ; 6139.4,2634.6 6141.8,2634.6 ; 6139.4,2689 6143.4,2689 ; 6139.4,2689.8 6143.4,2689.8 ; 6139.4,2722.6 6143.4,2722.6 ; 6139.4,2723.4 6142.6,2723.4 ; 6140.2,2349.8 6144.2,2349.8 ; 6140.2,2350.6 6144.2,2350.6 ; 6140.2,2526.6 6143.4,2526.6 ; 6140.2,2546.6 6157.8,2546.6 ; 6140.2,2687.4 6145,2687.4 ; 6140.2,2688.2 6144.2,2688.2 ; 6140.2,2721.8 6144.2,2721.8 ; 6141,2351.4 6145,2351.4 ; 6141,2384.2 6144.2,2384.2 ; 6141,2385 6145,2385 ; 6141,2527.4 6144.2,2527.4 ; 6141,2528.2 6144.2,2528.2 ; 6141,2720.2 6145,2720.2 ; 6141,2721 6144.2,2721 ; 6141.8,2352.2 6145,2352.2 ; 6141.8,2353 6145.8,2353 ; 6141.8,2385.8 6145.8,2385.8 ; 6141.8,2386.6 6145.8,2386.6 ; 6141.8,2529 6145,2529 ; 6141.8,2718.6 6145.8,2718.6 ; 6141.8,2719.4 6145.8,2719.4 ; 6142.6,2353.8 6146.6,2353.8 ; 6142.6,2387.4 6146.6,2387.4 ; 6142.6,2529.8 6145.8,2529.8 ; 6142.6,2684.2 6146.6,2684.2 ; 6142.6,2717.8 6146.6,2717.8 ; 6143.4,2354.6 6146.6,2354.6 ; 6143.4,2355.4 6147.4,2355.4 ; 6143.4,2388.2 6146.6,2388.2 ; 6143.4,2389 6147.4,2389 ; 6143.4,2530.6 6146.6,2530.6 ; 6143.4,2531.4 6146.6,2531.4 ; 6143.4,2682.6 6147.4,2682.6 ; 6143.4,2683.4 6147.4,2683.4 ; 6143.4,2716.2 6147.4,2716.2 ; 6143.4,2717 6146.6,2717 ; 6144.2,2356.2 6147.4,2356.2 ; 6144.2,2357 6148.2,2357 ; 6144.2,2389.8 6148.2,2389.8 ; 6144.2,2532.2 6147.4,2532.2 ; 6144.2,2681.8 6148.2,2681.8 ; 6144.2,2715.4 6148.2,2715.4 ; 6145,2357.8 6149,2357.8 ; 6145,2390.6 6148.2,2390.6 ; 6145,2391.4 6149,2391.4 ; 6145,2533 6148.2,2533 ; 6145,2680.2 6149,2680.2 ; 6145,2681 6148.2,2681 ; 6145,2713.8 6149,2713.8 ; 6145,2714.6 6148.2,2714.6 ; 6145.8,2358.6 6149,2358.6 ; 6145.8,2359.4 6197,2359.4 ; 6145.8,2392.2 6149,2392.2 ; 6145.8,2393 6149.8,2393 ; 6145.8,2533.8 6149,2533.8 ; 6145.8,2534.6 6149,2534.6 ; 6145.8,2547.4 6158.6,2547.4 ; 6145.8,2678.6 6149.8,2678.6 ; 6145.8,2679.4 6149.8,2679.4 ; 6145.8,2712.2 6149.8,2712.2 ; 6145.8,2713 6149.8,2713 ; 6146.6,2360.2 6197.8,2360.2 ; 6146.6,2393.8 6150.6,2393.8 ; 6146.6,2535.4 6149.8,2535.4 ; 6146.6,2677.8 6150.6,2677.8 ; 6146.6,2711.4 6150.6,2711.4 ; 6147.4,2361 6151.4,2361 ; 6147.4,2361.8 6151.4,2361.8 ; 6147.4,2394.6 6150.6,2394.6 ; 6147.4,2395.4 6151.4,2395.4 ; 6147.4,2536.2 6150.6,2536.2 ; 6147.4,2676.2 6151.4,2676.2 ; 6147.4,2677 6151.4,2677 ; 6147.4,2709.8 6151.4,2709.8 ; 6147.4,2710.6 6150.6,2710.6 ; 6148.2,2362.6 6151.4,2362.6 ; 6148.2,2363.4 6152.2,2363.4 ; 6148.2,2396.2 6151.4,2396.2 ; 6148.2,2397 6152.2,2397 ; 6148.2,2537 6151.4,2537 ; 6148.2,2537.8 6151.4,2537.8 ; 6148.2,2675.4 6152.2,2675.4 ; 6148.2,2708.2 6152.2,2708.2 ; 6148.2,2709 6152.2,2709 ; 6149,2364.2 6153,2364.2 ; 6149,2397.8 6153,2397.8 ; 6149,2538.6 6152.2,2538.6 ; 6149,2673.8 6153,2673.8 ; 6149,2674.6 6152.2,2674.6 ; 6149,2707.4 6157,2707.4 ; 6149.8,2365 6153,2365 ; 6149.8,2365.8 6153.8,2365.8 ; 6149.8,2398.6 6153,2398.6 ; 6149.8,2399.4 6153.8,2399.4 ; 6149.8,2539.4 6153,2539.4 ; 6149.8,2672.2 6153.8,2672.2 ; 6149.8,2673 6153.8,2673 ; 6149.8,2705.8 6154.6,2705.8 ; 6149.8,2706.6 6156.2,2706.6 ; 6150.6,2366.6 6154.6,2366.6 ; 6150.6,2367.4 6154.6,2367.4 ; 6150.6,2400.2 6154.6,2400.2 ; 6150.6,2401 6154.6,2401 ; 6150.6,2540.2 6153.8,2540.2 ; 6150.6,2541 6153.8,2541 ; 6150.6,2670.6 6154.6,2670.6 ; 6150.6,2671.4 6154.6,2671.4 ; 6150.6,2705 6154.6,2705 ; 6151.4,2368.2 6155.4,2368.2 ; 6151.4,2401.8 6155.4,2401.8 ; 6151.4,2402.6 6155.4,2402.6 ; 6151.4,2541.8 6154.6,2541.8 ; 6151.4,2548.2 6159.4,2548.2 ; 6151.4,2669.8 6155.4,2669.8 ; 6151.4,2703.4 6155.4,2703.4 ; 6151.4,2704.2 6154.6,2704.2 ; 6152.2,2369 6155.4,2369 ; 6152.2,2369.8 6156.2,2369.8 ; 6152.2,2542.6 6155.4,2542.6 ; 6152.2,2543.4 6155.4,2543.4 ; 6152.2,2668.2 6156.2,2668.2 ; 6152.2,2669 6156.2,2669 ; 6152.2,2701.8 6156.2,2701.8 ; 6152.2,2702.6 6156.2,2702.6 ; 6153,2370.6 6157,2370.6 ; 6153,2405.8 6157.8,2405.8 ; 6153,2544.2 6156.2,2544.2 ; 6153,2667.4 6157,2667.4 ; 6153,2701 6157,2701 ; 6153.8,2361 6197.8,2361 ; 6153.8,2371.4 6157,2371.4 ; 6153.8,2372.2 6157.8,2372.2 ; 6153.8,2406.6 6158.6,2406.6 ; 6153.8,2407.4 6158.6,2407.4 ; 6153.8,2545 6157,2545 ; 6153.8,2545.8 6157.8,2545.8 ; 6153.8,2665.8 6157.8,2665.8 ; 6153.8,2666.6 6157,2666.6 ; 6153.8,2699.4 6157.8,2699.4 ; 6153.8,2700.2 6157,2700.2 ; 6154.6,2373 6157.8,2373 ; 6154.6,2373.8 6158.6,2373.8 ; 6154.6,2408.2 6159.4,2408.2 ; 6154.6,2409 6159.4,2409 ; 6154.6,2665 6158.6,2665 ; 6154.6,2697.8 6158.6,2697.8 ; 6154.6,2698.6 6158.6,2698.6 ; 6155.4,2374.6 6159.4,2374.6 ; 6155.4,2409.8 6160.2,2409.8 ; 6155.4,2663.4 6159.4,2663.4 ; 6155.4,2664.2 6158.6,2664.2 ; 6155.4,2697 6159.4,2697 ; 6155.4,2705.8 6158.6,2705.8 ; 6156.2,2375.4 6159.4,2375.4 ; 6156.2,2376.2 6160.2,2376.2 ; 6156.2,2410.6 6161,2410.6 ; 6156.2,2411.4 6161,2411.4 ; 6156.2,2661.8 6160.2,2661.8 ; 6156.2,2662.6 6159.4,2662.6 ; 6156.2,2695.4 6160.2,2695.4 ; 6156.2,2696.2 6160.2,2696.2 ; 6157,2377 6161,2377 ; 6157,2377.8 6161,2377.8 ; 6157,2412.2 6161.8,2412.2 ; 6157,2660.2 6161,2660.2 ; 6157,2661 6161,2661 ; 6157,2694.6 6161,2694.6 ; 6157,2706.6 6158.6,2706.6 ; 6157.8,2378.6 6161.8,2378.6 ; 6157.8,2413 6161.8,2413 ; 6157.8,2413.8 6162.6,2413.8 ; 6157.8,2549 6160.2,2549 ; 6157.8,2659.4 6161.8,2659.4 ; 6157.8,2693 6161.8,2693 ; 6157.8,2693.8 6161,2693.8 ; 6157.8,2707.4 6194.6,2707.4 ; 6158.6,2379.4 6162.6,2379.4 ; 6158.6,2380.2 6185.8,2380.2 ; 6158.6,2414.6 6163.4,2414.6 ; 6158.6,2415.4 6163.4,2415.4 ; 6158.6,2424.2 6162.6,2424.2 ; 6158.6,2657.8 6162.6,2657.8 ; 6158.6,2658.6 6162.6,2658.6 ; 6158.6,2691.4 6162.6,2691.4 ; 6158.6,2692.2 6162.6,2692.2 ; 6159.4,2381 6186.6,2381 ; 6159.4,2416.2 6164.2,2416.2 ; 6159.4,2425 6161.8,2425 ; 6159.4,2657 6163.4,2657 ; 6159.4,2689.8 6163.4,2689.8 ; 6159.4,2690.6 6163.4,2690.6 ; 6159.4,2705.8 6199.4,2705.8